# Altium PCB PCB_uinv.PcbDoc (continued)
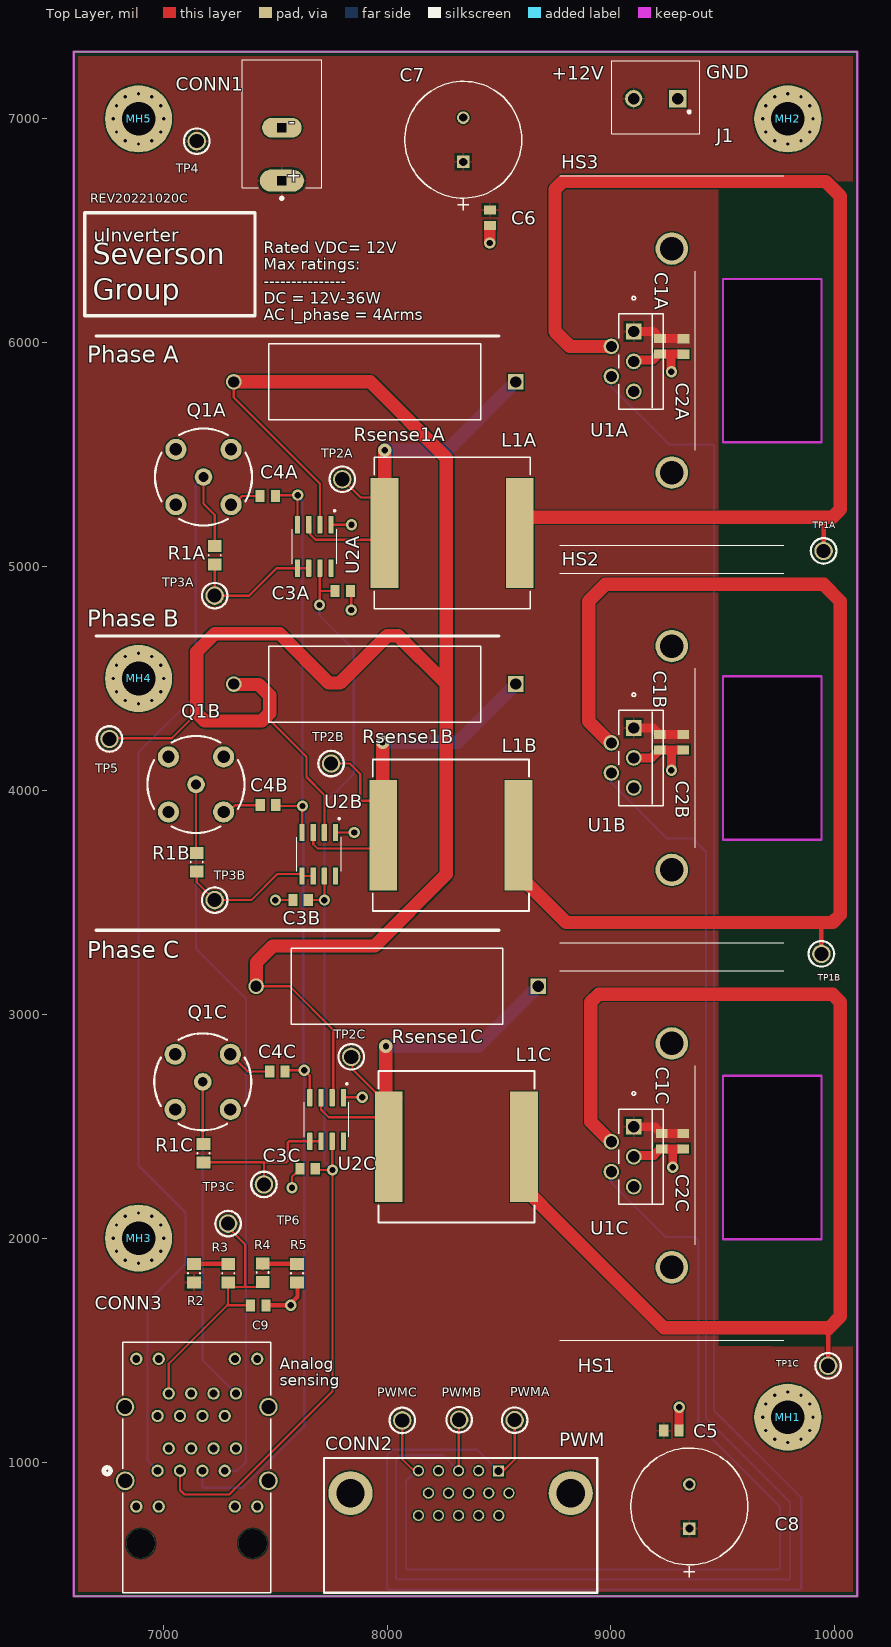
[diagram p0: Top Layer view]
## Part data (continued)
CONN3: "CONN MOD JACK 8P8C R/A SHIELDED", Color=Black,Green, Current Rating=1.5A, Manufacturer="Amphenol Commercial", Max Operating Temperature=85°C, Min Operating Temperature=-55°C, Package Quantity=35, Supplier Part Number 1=RJSAE-5385-02-ND, Voltage Rating=125V, Category="Modular / Ethernet Connectors", ComponentLink1Description=https://datasheet.ciiva.com/26934/getdatasheetpartid-29521-26934348.pdf?src-supplier=Verical, ComponentLink1URL=https://datasheet.ciiva.com/26934/getdatasheetpartid-29521-26934348.pdf?src-supplier=Verical, Connector Type=Jack, Contact Material=Bronze, Contact Plating=Gold, Depth=28.15mm, Direction="Up and Down", Gender=Female, Housing Material=Thermoplastic, Lead Free="Lead Free", Length=16.51mm, Manufacturer Part Number=RJSAE-5385-02, Mount="Through Hole", Number of Contacts=16, Number of Ports=2, Number of Positions Loaded=16, Number of Rows=2, Orientation="Right Angle", Packaging=Tray, Pitch=2.54mm, Pricing 1="1=6.67000, 10=6.39000, 25=5.83440, 50=5.55660, 100=5.27880, 250=4.72312, 500=4.44528, 1000=4.01310 (USD)", Radiation Hardening=No, RoHS=Yes, RoHS Compliant=Yes, Series=RJSAE, Shielding=Shielded, Stock 1=254, Supplier 1=Digi-Key, Termination=Solder
HS1 HS2 HS3: "Heat Sink Passive TO-220 Radial Thru-Hole 2.6C/W Black Anodized", Case/Package=Radial, Color=Black, Manufacturer="Aavid Thermalloy", Natural Thermal Resistance=2.6°C/W, Package=None, Package Cooled=TO-220, Package Quantity=200, Supplier Part Number 1=HS404-ND, Thermal Resistance @ Forced Air Flow (100 LFM)=2°C/W, Availability=Unavailable, Category="Heat Sinks", ComponentLink1Description=https://datasheet.ciiva.com/15182/getdatasheetpartid-311919-15182633.pdf?src-supplier=Verical, ComponentLink1URL=https://datasheet.ciiva.com/15182/getdatasheetpartid-311919-15182633.pdf?src-supplier=Verical, ComponentLink2Description=https://datasheet.ciiva.com/22641/1699368-22641984.pdf?src-supplier=Element14, ComponentLink2URL=https://datasheet.ciiva.com/22641/1699368-22641984.pdf?src-supplier=Element14, ComponentLink3Description=https://datasheet.ciiva.com/19457/696626-19457620.pdf?src-supplier=Jameco, ComponentLink3URL=https://datasheet.ciiva.com/19457/696626-19457620.pdf?src-supplier=Jameco, ComponentLink4Description=https://datasheet.ciiva.com/6333/aavid-board-level-heatsinks-catalog-6333980.pdf?src-supplier=Digi-Key, ComponentLink4URL=https://datasheet.ciiva.com/6333/aavid-board-level-heatsinks-catalog-6333980.pdf?src-supplier=Digi-Key, ComponentLink5Description=https://datasheet.ciiva.com/14543/70115166-14543413.pdf?src-supplier=Allied+Electronics, ComponentLink5URL=https://datasheet.ciiva.com/14543/70115166-14543413.pdf?src-supplier=Allied+Electronics, Depth=25.4mm, Finish=Anodized, Height=63.5mm, Height Off Base=1inch, Lead Free="Lead Free", Length=41.91mm, Manufacturer Part Number=529702B02500G, Material=Aluminium,Anodized, MF="Aavid Thermalloy", Mount="Bolt,PC Pin,Solder", MP=530002B02500G, Price=None, Pricing 1="1=6.14000, 10=5.97200, 25=5.64040, 50=5.30860, 100=4.97680, 250=4.64500, 500=4.31320, 1000=4.23026 (USD)", Radiation Hardening=No, REACH SVHC=Unknown, RoHS=Yes, RoHS Compliant=Yes, Series=5300, Shape=Fins,Rectangular, SnapEDA_Link=https://www.snapeda.com/parts/530002B02500G/Aavid%20Thermalloy/view-part/4792019/?ref=snap, Stock 1=1035, Supplier 1=Digi-Key, Type=Passive, Width=1.65inch
J1: "Conn Terminal Blocks 2 POS 5mm Solder ST Thru-Hole 16A", Color=Green, Current=18A, Current Rating=17.5A, Flammability Rating="UL94 V-0", Manufacturer="Phoenix Contact", Max Current Rating=16A, Max Supply Voltage=250V, Package Quantity=250, Supplier Part Number 1=277-1667-ND, Voltage=300V, Voltage Rating (DC)=320V, Approvals=UL, Category="Terminal Blocks", ComponentLink1Description=https://datasheet.ciiva.com/15169/getdatasheetpartid-177903-15169663.pdf?src-supplier=Verical, ComponentLink1URL=https://datasheet.ciiva.com/15169/getdatasheetpartid-177903-15169663.pdf?src-supplier=Verical, ComponentLink2Description=https://datasheet.ciiva.com/16047/1935161-16047247.pdf?src-supplier=Onlinecomponents.com, ComponentLink2URL=https://datasheet.ciiva.com/16047/1935161-16047247.pdf?src-supplier=Onlinecomponents.com, ComponentLink3Description=https://datasheet.ciiva.com/824/combiconcompact5-0mmseries-824222.pdf?src-supplier=Digi-Key, ComponentLink3URL=https://datasheet.ciiva.com/824/combiconcompact5-0mmseries-824222.pdf?src-supplier=Digi-Key, Connector Type=Screw, Contact Material=Copper,Tin, Depth=9mm, Height=11.3mm, Housing Color=Green, Housing Material=Polyamide, Insulation Material=Nylon, Lead Free="Lead Free", Length=9mm, Manufacturer Part Number=1935161, Material=Nylon, Mount="Through Hole", Number of Circuits=2, Number of Contacts=2, Number of Levels=1, Number of Pins=2, Number of Poles=2, Number of Positions=2, Number of Positions Per Level=2, Number of Rows=1, Number of Ways=2, Orientation=Straight, Packaging=Bulk, Pitch=5mm, Pricing 1="1=0.43000, 10=0.41400, 50=0.39600, 100=0.38520, 250=0.36000, 500=0.33120, 1000=0.30600 (USD)", Radiation Hardening=No, REACH SVHC=Unknown, RoHS=Yes, RoHS Compliant=Yes, Series="COMBICON PT", Stock 1=82071, Supplier 1=Digi-Key, Termination=Solder, Voltage Rating=250V, Weight=0.067021oz, Width=14.9mm, Wire Gauge (Max)=26AWG, Wire Gauge (Min)=12AWG, Wire/Cable Gauge=26AWG
L1A L1B L1C: library part PA4344.104NLT, "FIXED IND 100UH 5.3A 118 MOHM", Case/Package=Nonstandard, Current Rating=5.3A, DC Resistance (DCR)=118mR, Inductance=100uH, Manufacturer=Pulse, Max Operating Temperature=125°C, Min Operating Temperature=-40°C, Ratings=AEC-Q200, Saturation Current=6.5A, Supplier Part Number 1=553-3011-1-ND, Test Frequency=100kHz, Category="Fixed Inductors", ComponentLink1Description=http://productfinder.pulseeng.com/products/datasheets/P771.pdf?src-supplier=Digi-Key, ComponentLink1URL=http://productfinder.pulseeng.com/products/datasheets/P771.pdf?src-supplier=Digi-Key, Height - Seated (Max)=0.276inch, Length=0.697inch, Manufacturer Part Number=PA4344.104NLT, Mount="Surface Mount", Packaging="Tape and Reel", Pricing 1="1=3.77000, 10=3.59600, 25=3.42480, 50=2.87700, 100=2.46600 (USD)", RoHS=Yes, RoHS Compliant=Yes, Shielding=Shielded, Stock 1=1739, Supplier 1=Digi-Key, Width=0.677inch
MH1 MH2 MH3 MH4 MH5: "MOUNTING HOLE"
PWMA PWMB PWMC TP1A TP1B TP1C TP2A TP2B TP2C TP3A TP3B TP3C TP4 TP5 TP6: library part "Test Point 36-5005ND", "Conn Test Point SKT 1 POS ST Thru-Hole 1 Port", Color=Natural, Flammability Rating="UL94 V-0", Housing Color=Red, Package Quantity=100, Supplier Part Number 1=36-5005-ND, Body Material=PBT, Category="Test and Measurement", ComponentLink1Description=http://www.te.com/commerce/DocumentDelivery/DDEController?Action=srchrtrv&DocNm=1773266&DocType=DS&DocLang=English, ComponentLink1URL=http://www.te.com/commerce/DocumentDelivery/DDEController?Action=srchrtrv&DocNm=1773266&DocType=DS&DocLang=English, ComponentLink2Description=https://datasheet.ciiva.com/11744/0900766b8009b7c7-11744948.pdf?src-supplier=RSComponents, ComponentLink2URL=https://datasheet.ciiva.com/11744/0900766b8009b7c7-11744948.pdf?src-supplier=RSComponents, ComponentLink3Description=https://datasheet.ciiva.com/2917/m60-2p60-2917633.pdf?src-supplier=Digi-Key, ComponentLink3URL=https://datasheet.ciiva.com/2917/m60-2p60-2917633.pdf?src-supplier=Digi-Key, ComponentLink4Description=https://datasheet.ciiva.com/16508/m60-2p60-16508073.pdf?src-supplier=Future+Electronics, ComponentLink4URL=https://datasheet.ciiva.com/16508/m60-2p60-16508073.pdf?src-supplier=Future+Electronics, ComponentLink5Description=https://datasheet.ciiva.com/1454/1703983-1454828.pdf?src-supplier=Element14, ComponentLink5URL=https://datasheet.ciiva.com/1454/1703983-1454828.pdf?src-supplier=Element14, ComponentLink6Description=https://datasheet.ciiva.com/16883/70182825-16883781.pdf?src-supplier=Allied+Electronics, ComponentLink6URL=https://datasheet.ciiva.com/16883/70182825-16883781.pdf?src-supplier=Allied+Electronics, Contact Material=Bronze, Contact Plating=Silver,Tin, Height=0.35inch, Hole Diameter=1.6mm, Inside Diameter=1.78mm, Lead Free="Lead Free", Length=8.89mm, Material=Nylon,Bronze,Silver, Material - Body=-, Material - Insulation="No Insulation", Mount="PCB,Through Hole", Mounting Type="Surface Mount", Number of Ports=1, Orientation=Straight, Outside Diameter=3.18mm, Packaging="Cut Tape (CT)", Part Status=Active, Plating=-, Pricing 1="1=0.22, 10=0.206, 25=0.1756, 50=0.1536, 100=0.1426, 250=0.12616, 500=0.12068, 1000=0.09874 (USD)", Pricing 2="1=0.42000, 25=0.34080, 100=0.30150, 250=0.28304, 500=0.25230, 1000=0.19884, 2500=0.18180, 5000=0.17044 (USD)", REACH SVHC="No SVHC", RoHS="RoHS Compliant", RoHS Compliant=Yes, Series=THM, Size / Dimension="0.063\" x 0.031\" x 0.045\" (1.60mm x 0.80mm x 1.15mm)", Stock 1=136646, Stock 2=147226, Supplier 1=Digi-Key, Termination=Solder, Type="PC Test Point"
Q1A Q1B Q1C: "CONN BNC JACK STR 50 OHM PCB", Supplier Part Number 1=A97581-ND, Supplier 1=Digi-Key
R1A R1B R1C: library part CRCW08051R00FKEA, "Res Thick Film 0805 1 Ohm 1% 1/8W", Case Code (Imperial)=0805, Case Code (Metric)=2012, Manufacturer="Vishay Dale", Max Operating Temperature=155°C, Max Power Dissipation=125mW, Min Operating Temperature=-55°C, Package Quantity=10, Resistance Tolerance=1%, Resistor Type="Thick Film", Supplier Part Number 1=541-1.00CCCT-ND, Temperature Coefficient=100ppm/°C, Voltage Rating=150V, Case/Package=0805, Category="Chip SMD Resistors", ComponentLink1Description=https://datasheet.ciiva.com/7725/dcrcwe3-7725851.pdf?src-supplier=Element14, ComponentLink1URL=https://datasheet.ciiva.com/7725/dcrcwe3-7725851.pdf?src-supplier=Element14, ComponentLink2Description=https://datasheet.ciiva.com/28621/1747939-28621438.pdf?src-supplier=Element14, ComponentLink2URL=https://datasheet.ciiva.com/28621/1747939-28621438.pdf?src-supplier=Element14, ComponentLink3Description=https://datasheet.ciiva.com/2467/dcrcwe3-2467480.pdf?src-supplier=Digi-Key, ComponentLink3URL=https://datasheet.ciiva.com/2467/dcrcwe3-2467480.pdf?src-supplier=Digi-Key, ComponentLink4Description=https://datasheet.ciiva.com/2467/dcrcwe3-2467481.pdf?src-supplier=Digi-Key, ComponentLink4URL=https://datasheet.ciiva.com/2467/dcrcwe3-2467481.pdf?src-supplier=Digi-Key, ComponentLink5Description=https://datasheet.ciiva.com/2467/dcrcwe3-2467479.pdf?src-supplier=Digi-Key, ComponentLink5URL=https://datasheet.ciiva.com/2467/dcrcwe3-2467479.pdf?src-supplier=Digi-Key, ComponentLink6Description=https://datasheet.ciiva.com/16767/70201119-16767273.pdf?src-supplier=Allied+Electronics, ComponentLink6URL=https://datasheet.ciiva.com/16767/70201119-16767273.pdf?src-supplier=Allied+Electronics, ComponentLink7Description=https://datasheet.ciiva.com/5549/dcrcwe3-109170-5549807.pdf?src-supplier=Mouser, ComponentLink7URL=https://datasheet.ciiva.com/5549/dcrcwe3-109170-5549807.pdf?src-supplier=Mouser, ComponentLink8Description=https://datasheet.ciiva.com/16286/dcrcwe3-16286250.pdf?src-supplier=Future+Electronics, ComponentLink8URL=https://datasheet.ciiva.com/16286/dcrcwe3-16286250.pdf?src-supplier=Future+Electronics, ComponentLink9Description=https://datasheet.ciiva.com/17204/dcrcwe3-17204262.pdf?src-supplier=Avnet+Europe, ComponentLink9URL=https://datasheet.ciiva.com/17204/dcrcwe3-17204262.pdf?src-supplier=Avnet+Europe, Construction=Rectangular, Contact Plating=Tin, Depth=1.25mm, Features="Automotive AEC-Q200", Height=0.02inch, Length=2mm, Manufacturer Part Number=CRCW08051R00FKEA, Military Standard=Not, Mount="Surface Mount", Number of Pins=2, Number of Terminations=2, Packaging="Tape and Reel", Power Rating=125mW, Pricing 1="1=0.10000, 10=0.08500, 100=0.03280, 1000=0.01442, 2500=0.01246 (USD)", Radiation Hardening=No, REACH SVHC=Unknown, Resistance=1R, RoHS=Yes, RoHS Compliant=Yes, Series=CRCW, Size Code=0805, Supplier 1=Digi-Key, Termination=SMD/SMT, Tolerance=1%, Weight=0.000194oz, Width=0.049inch
R2 R3: library part RCS08052K20FKEA, "Res Thick Film 0805 2.2K Ohm 1% 0.4W", Case Code (Imperial)=0805, Case Code (Metric)=2012, Manufacturer="Vishay Dale", Max Operating Temperature=155°C, Max Power Dissipation=400mW, Min Operating Temperature=-55°C, Resistance=2.2kR, Resistor Type="Thick Film", Supplier Part Number 1=541-2841-1-ND, Temperature Coefficient=100ppm/°C, Tolerance=1%, Case/Package=0805, Category="Chip SMD Resistors", ComponentLink1Description=http://www.vishay.com/docs/20065/rcse3.pdf?src-supplier=Digi-Key, ComponentLink1URL=http://www.vishay.com/docs/20065/rcse3.pdf?src-supplier=Digi-Key, Features="Automotive AEC-Q200", Height=0.02inch, Length=0.079inch, Manufacturer Part Number=RCS08052K20FKEA, Number of Terminations=2, Packaging="Cut Tape", Pricing 1="1=0.26000, 10=0.21800, 100=0.08510, 1000=0.03560, 2500=0.03264 (USD)", RoHS=Yes, Stock 1=5528, Supplier 1=Digi-Key, Width=0.049inch
R4 R5: library part ESR10EZPF1101, "Res Thick Film 0805 1.1K Ohm 1% 0.4W", Case Code (Imperial)=0805, Case Code (Metric)=2012, Manufacturer=Rohm, Max Operating Temperature=155°C, Max Power Dissipation=400mW, Min Operating Temperature=-55°C, Package Quantity=1, Resistance=1.1kR, Resistor Type="Thick Film", Supplier Part Number 1=RHM1.10KAECT-ND, Temperature Coefficient=100ppm/°C, Tolerance=1%, Case/Package=0805, Category="Chip SMD Resistors", ComponentLink1Description=https://datasheet.ciiva.com/2470/esr-2470093.pdf?src-supplier=Digi-Key, ComponentLink1URL=https://datasheet.ciiva.com/2470/esr-2470093.pdf?src-supplier=Digi-Key, ComponentLink2Description=https://datasheet.ciiva.com/2470/esr-2470094.pdf?src-supplier=Digi-Key, ComponentLink2URL=https://datasheet.ciiva.com/2470/esr-2470094.pdf?src-supplier=Digi-Key, ComponentLink3Description=https://datasheet.ciiva.com/2470/esr-2470095.pdf?src-supplier=Digi-Key, ComponentLink3URL=https://datasheet.ciiva.com/2470/esr-2470095.pdf?src-supplier=Digi-Key, ComponentLink4Description=https://datasheet.ciiva.com/16212/esr10ezpd-16212063.pdf?src-supplier=Future+Electronics, ComponentLink4URL=https://datasheet.ciiva.com/16212/esr10ezpd-16212063.pdf?src-supplier=Future+Electronics, Features="Automotive AEC-Q200", Height=0.026inch, Lead Free="Lead Free", Length=0.079inch, Manufacturer Part Number=ESR10EZPF1101, Number of Terminations=2, Packaging="Tape and Reel", Power Rating=400mW, Pricing 1="1=0.18000, 10=0.15300, 100=0.05980, 1000=0.02505, 2500=0.02296 (USD)", RoHS=Yes, RoHS Compliant=Yes, Series=ESR, Size Code=0805, Stock 1=6361, Supplier 1=Digi-Key, Width=0.049inch
Rsense1A Rsense1B Rsense1C: library part 15FR150E, "Resistor; Wirewound; Res 0.15 Ohms; Pwr-Rtg 5 W; Tol 1%; Axial; Silicone; Cur-Sense", Case/Package=Axial, Manufacturer=Ohmite, Max Operating Temperature=275°C, Max Power Dissipation=5W, Min Operating Temperature=-55°C, Package Quantity=10, Resistance=150mR, Resistance Tolerance=1%, Resistor Type=Wirewound, Supplier Part Number 1=15FR150E-ND, Temperature Coefficient=50ppm/°C, Voltage Rating=100mV, Voltage Rating (DC)=1kV, Body Diameter=8.4mm, Body Length=23.8mm, Category="Through-Hole Resistors", ComponentLink1Description=https://datasheet.ciiva.com/2716/res-10-2716526.pdf?src-supplier=Digi-Key, ComponentLink1URL=https://datasheet.ciiva.com/2716/res-10-2716526.pdf?src-supplier=Digi-Key, ComponentLink2Description=https://datasheet.ciiva.com/16771/70022566-16771081.pdf?src-supplier=Allied+Electronics, ComponentLink2URL=https://datasheet.ciiva.com/16771/70022566-16771081.pdf?src-supplier=Allied+Electronics, ComponentLink3Description=https://datasheet.ciiva.com/1131/66208-1131710.pdf?src-supplier=Element14, ComponentLink3URL=https://datasheet.ciiva.com/1131/66208-1131710.pdf?src-supplier=Element14, Diameter=8.4mm, Lead Diameter=0.05mm, Lead Free="Lead Free", Lead Length=39.7mm, Length=23.8mm, Manufacturer Part Number=15FR150E, Mount="Through Hole", Number of Pins=2, Number of Terminations=2, Packaging=Bulk, Power Rating=5W, Pricing 1="1=3.11000, 10=2.77800, 25=2.61080, 50=2.38860, 100=2.05540, 250=1.77760, 500=1.61096, 1000=1.41652, 5000=1.36653 (USD)", RoHS=Yes, Series=10, Stock 1=1147, Supplier 1=Digi-Key, Termination=Axial, Tolerance=1%
U1A U1B U1C: "14-Ampere Low-Side Ultrafast MOSFET Driver 5-Lead TO-220", Case/Package=TO-220-5, Manufacturer=IXYS, Max Operating Temperature=125°C, Max Output Current=14A, Max Supply Voltage=35V, Min Operating Temperature=-40°C, Min Supply Voltage=4.5V, Package Quantity=50, Supplier Part Number 1=IXDN614CI-ND, Category="Gate Drivers", ComponentLink1Description=https://datasheet.ciiva.com/6611/ixd-614-6611632.pdf?src-supplier=Digi-Key, ComponentLink1URL=https://datasheet.ciiva.com/6611/ixd-614-6611632.pdf?src-supplier=Digi-Key, ComponentLink2Description=https://datasheet.ciiva.com/16352/ixd-614-r00h-16352558.pdf?src-supplier=Future+Electronics, ComponentLink2URL=https://datasheet.ciiva.com/16352/ixd-614-r00h-16352558.pdf?src-supplier=Future+Electronics, Fall Time=25ns, Lead Free="Lead Free", Manufacturer Part Number=IXDN614CI, Mount="Through Hole", Number of Drivers=1, Number of Outputs=1, Number of Pins=5, Output Impedance=1.5R, Packaging=Rail/Tube, Pricing 1="1=5.45000, 10=4.89400, 25=4.62640, 100=4.00960, 250=3.80396, 500=3.41328, 1000=2.90970 (USD)", Propagation Delay=70ns, Rise Time=35ns, RoHS=Yes, RoHS Compliant=Yes, Series=-, Stock 1=879, Supplier 1=Digi-Key
U2A U2B U2C: "SP Amp Difference Amplifier Single ±18V/36V 8-Pin SOIC Tube", Case/Package=D, Dual Supply Voltage=15V, Input Offset Voltage (Vos)=100uV, Input Resistance=55kR, Manufacturer="Texas Instruments", Max Dual Supply Voltage=18V, Max Input Voltage=36V, Max Operating Temperature=85°C, Min Dual Supply Voltage=2.25V, Min Operating Temperature=-40°C, Min Supply Voltage=4.5V, Nominal Supply Current=950uA, Output Current per Channel=32mA, Package Quantity=75, Supplier Part Number 1=INA143U-ND, Voltage Gain=20dB, -3db Bandwidth=150kHz, Bandwidth=150kHz, Category="Amplifiers - Op Amps, Buffer, Instrumentation", Common Mode Rejection Ratio=86dB, ComponentLink1Description=https://datasheet.ciiva.com/19474/1341122-19474592.pdf?src-supplier=Jameco, ComponentLink1URL=https://datasheet.ciiva.com/19474/1341122-19474592.pdf?src-supplier=Jameco, ComponentLink2Description=https://datasheet.ciiva.com/15128/getdatasheetpartid-49975-15128159.pdf?src-supplier=Verical, ComponentLink2URL=https://datasheet.ciiva.com/15128/getdatasheetpartid-49975-15128159.pdf?src-supplier=Verical, ComponentLink3Description=https://datasheet.ciiva.com/1799/ina143-1799971.pdf?src-supplier=Digi-Key, ComponentLink3URL=https://datasheet.ciiva.com/1799/ina143-1799971.pdf?src-supplier=Digi-Key, ComponentLink4Description=https://datasheet.ciiva.com/2976/ina2143-2976117.pdf?src-supplier=Avnet, ComponentLink4URL=https://datasheet.ciiva.com/2976/ina2143-2976117.pdf?src-supplier=Avnet, ComponentLink5Description=https://datasheet.ciiva.com/26191/sbos116-26191078.pdf?src-supplier=Avnet+Europe, ComponentLink5URL=https://datasheet.ciiva.com/26191/sbos116-26191078.pdf?src-supplier=Avnet+Europe, ComponentLink6Description=https://datasheet.ciiva.com/1485/693952-1485228.pdf?src-supplier=Element14, ComponentLink6URL=https://datasheet.ciiva.com/1485/693952-1485228.pdf?src-supplier=Element14, ComponentLink7Description=https://datasheet.ciiva.com/48707/001010602-da-01-en-ic-opamp-diff-150khz-ina143u-soic-8-tid-48707338.pdf?src-supplier=Conrad, ComponentLink7URL=https://datasheet.ciiva.com/48707/001010602-da-01-en-ic-opamp-diff-150khz-ina143u-soic-8-tid-48707338.pdf?src-supplier=Conrad, Gain Bandwidth Product=150kHz, Height=1.58mm, Lead Free="Lead Free", Length=4.9mm, Manufacturer Part Number=INA143U, Max Supply Voltage=36V, Min Input Voltage=2.25V, Number of Amplifiers=1, Number of Channels=1, Number of Circuits=1, Number of Elements=1, Number of Pins=8, Operating Supply Current=950uA, Packaging=Rail/Tube, Pricing 1="1=4.01000, 10=3.60000, 25=3.40320, 100=2.79830, 250=2.51096, 500=2.42020, 1000=2.01178, 2500=1.99780 (USD)", Quiescent Current=950uA, Radiation Hardening=No, REACH SVHC="No SVHC", RoHS=Yes, Settling Time=6us, Slew Rate=5V/µs, Stock 1=417, Supplier 1=Digi-Key, Weight=0.002677oz, Width=3.91mm

## Via types
v1: diameter 50, hole 28, Top Layer to Bottom Layer, 18 vias
v2: diameter 60, hole 28, Top Layer to Bottom Layer, 3 vias

## Nets (pads, with @x,y where several pads share a name; then routed paths per layer and width w, separated by ;. In a path a pad name is that pad's centre, name@x,y a point inside that pad or via, vN(x,y) a via of type N, cw(c..) or ccw(c..) an arc to the next point about the centre after c; other vN are vias at no path point)
GND: C1A.2 C1B.2 C1C.2 C2A.2 C2B.2 C2C.2 C3A.2 C3B.2 C3C.2 C4A.2 C4B.2 C4C.2 C5.2 C6.2 C7.2 C8.2 C9.2 CONN1.2 CONN2.7 CONN3.2A CONN3.2B CONN3.4A CONN3.4B CONN3.6A CONN3.6B CONN3.8A CONN3.8B J1.1 MH1.1 MH2.1 MH3.1 MH4.1 MH5.1 Q1A.2 Q1B.2 Q1C.2 R5.1 U1A.3 U1B.3 U1C.3 U2A.1 U2B.1 U2C.1 | length 2422.3
  Top Layer w10: Q1B.2@7290.16,3903.54 7320.61,3934 C4B.2 ; Q1C.2@7300,2821.46 7377.46,2744 C4C.2 C4C.2@7464.09,2755.46 ; Q1A.2@7313.65,5276.77 7351.88,5315 C4A.2 ; v1(7501,3510) C3B.2 ; v1(7575,2225) 7575,2274.45 C3C.2 ; U2A.1 7750.24,5187 v1(7841,5187) ; U2B.1 7770.24,3812 v1(7853,3812) ; U2C.1 7806.76,2629 v1(7889,2629) ; C3A.2 7840,4887.45 v1(7840,4806)
  Top Layer w20: Q1B.2@7270,3903.54 Q1B.2@7290.16,3903.54 ; Q1A.2@7303.23,5276.77 Q1A.2@7313.65,5276.77 ; C9.2@7465.79,1700 v1(7570,1700) 7570,1708.12 7599.92,1738.04 R5.1@7599.92,1799.92
  Top Layer w40: U1C.3 9107.63,2369.6 9192.14,2369.6 9221.09,2398.55 C1C.2 9271.5,2398.55 ; U1B.3 9182,4145 9211.43,4174.43 9211.43,4180.33 9212.09,4181 C1B.2 9267.55,4181 ; U1A.3 9107.63,5921.88 9186.43,5921.88 9214.09,5949.55 C1A.2 9269.05,5949.55 ; v1(9270,4090) 9270,4178.55 9267.55,4181 ; v1(9270,5870) 9269.05,5870.95 9269.05,5949.55 ; v1(9276.09,2316.91) 9276.09,2393.96 9271.5,2398.55 ; C5.2@9304.72,1140.28 v1@9304.72,1244.72 ; C2C.2@9316,2398.55 9271.5,2398.55 ; C2B.2 9267.55,4181 ; C2A.2 9319.09,5948.55 9318.09,5949.55 9269.05,5949.55
  Top Layer w50: v1(8458.57,6445) C6.2@8458.57,6516.66
  other v1: 9305,1245
ISENSE_A: CONN3.1A Q1A.1 R1A.2 | length 5084.6
  Top Layer w10: Q1A.1 7180,5280 7230,5230 R1A.2@7230,5071.34
  Bottom Layer w10: CONN3.1A 6930,1005.94 6930,1715 7100,1885 7100,2115 6890,2325 6890,4170 7145,4425 7145,5365 Q1A.1
ISENSE_B: CONN3.7A Q1B.1 R1B.2 | length 3537.2
  Top Layer w10: Q1B.1 7146.77,3724.57 R1B.2
  Bottom Layer w10: Q1B.1 7146.77,3293.23 7370,3070 7370,1000 7330.94,960.94 CONN3.7A
ISENSE_C: CONN3.1B Q1C.1 R1C.2 | length 1731.9
  Top Layer w10: Q1C.1 7176.77,2424.57 R1C.2
  Bottom Layer w10: Q1C.1 7176.77,1454.17 CONN3.1B
NetL1A_1: L1A.1 TP1A.1 U1A.2 | length 5278.5
  Top Layer w20: TP1A.1 9950,5220
  Top Layer w60: L1A.1 8593.11,5187.99 8625.12,5220 9950,5220 9989.85,5220 10025,5255.15 10025,6655 9960,6720 8785.15,6720 8750,6684.85 8750,6150 8750,6050 8816.93,5983.07 U1A.2
NetL1A_2: L1A.2 Rsense1A.1 TP2A.1 U2A.3 | length 1708.6
  Top Layer w10: U2A.3 7656.41,5180.83 7656.41,5143.59 7680,5120 L1A.2@7988.78,5120 ; TP2A.1 7882,5308 7931.77,5308 L1A.2@7975,5264.77
  Top Layer w60: L1A.2 7975,5163.78 7975,5264.77 7990,5279.77 v2(7990,5520)
  Bottom Layer w60: v2(7990,5520) 8270,5520 Rsense1A.1
NetL1B_1: L1B.1 TP1B.1 U1B.2 | length 5112
  Top Layer w10: 8898.47,4310 8900,4308.47 ; 8899,4710 8900,4711
  Top Layer w20: TP1B.1 9940,3410
  Top Layer w60: L1B.1@8591.11,3785 8591.11,3612 8619.17,3583.94 8626.06,3583.94 8800,3410 9940,3410 9989.85,3410 10025,3445.15 10025,4845 9950,4920 8975,4920 8900,4845 8900,4711 8900,4308.47 8991.53,4216.93 U1B.2@9001.89,4216.93
NetL1B_2: L1B.2 Rsense1B.1 TP2B.1 U2B.3 | length 2013.6
  Top Layer w10: U2B.3 7670,3760 7690,3740 L1B.2@8000.83,3740 ; TP2B.1 7832.97,4120 7880,4072.97 7880,3960 7885.86,3954.14 7929.77,3954.14 L1B.2@7980,3903.91 ; L1B.2@7976.06,3918.91 7976.06,3903.91 7976.06,3806.78 L1B.2
  Top Layer w60: L1B.2@7980,3802.83 7980,3903.91 v2(7980,4215)
  Bottom Layer w60: v2(7980,4215) 8315,4215 Rsense1B.1
NetL1C_1: L1C.1 TP1C.1 U1C.2 | length 5286.9
  Top Layer w10: 8755.03,2055.03 8781.03,2055.03
  Top Layer w20: TP1C.1 9970,1595
  Top Layer w60: L1C.1 8612.11,2223.94 8781.03,2055.03 9236.06,1600 9975,1600 ; U1C.2 8999.18,2430.79 8910,2519.97 8910,3054.85 8945.15,3090 9989.85,3090 10025,3054.85 10025,1650 9975,1600 ; 9970,1595 9975,1600
NetL1C_2: L1C.2 Rsense1C.1 TP2C.1 U2C.3 | length 2101
  Top Layer w10: U2C.3 7705,2575 7740,2540 L1C.2@7995,2540 ; TP2C.1 7846.17,2803.83 7846.17,2753.66 L1C.2@7995,2604.83
  Top Layer w60: v2(7995,2857.48) 7995,2604.83 7995,2540 7995,2420.78 L1C.2 8007.78,2592.06 L1C.2@8039.79,2624.06
  Bottom Layer w60: v2(7995,2857.48) 8407.48,2857.48 Rsense1C.1
NetR1A_1: R1A.1 TP3A.1 U2A.5 U2A.6 | length 609.5
  Top Layer w10: R1A.1 TP3A.1 7383.46,4870 7506.22,4992.76 U2A.5 U2A.6
NetR1B_1: R1B.1 TP3B.1 U2B.5 U2B.6 | length 654.9
  Top Layer w10: R1B.1 7150,3590 TP3B.1 7393.46,3510 7510,3626.54 7613.19,3626.54 7620,3619.72 U2B.5 U2B.6
NetR1C_1: R1C.1 TP3C.1 U2C.5 U2C.6 | length 723
  Top Layer w10: R1C.1 7450,2338.66 ; TP3C.1 7450,2338.66 ; TP3C.1@7458.46,2226.54 TP3C.1@7467,2218 ; U2C.6 7561.86,2432.76 7556,2426.9 7556,2344.52 7550.14,2338.66 7450,2338.66
NetR2_1: R2.1 R3.2 | length 153.3
  Top Layer w20: R2.1 R3.2
NetR4_1: R4.1 R5.2 | length 154.4
  Top Layer w20: R4.1@7444.19,1867.68 R4.1@7445.52,1866.34 ; R4.1@7445.52,1886.34 R5.2@7596.18,1886.34 ; R5.2@7596.18,1866.34 R5.2@7597.52,1865
PH_OUT_A: Rsense1A.2 Rsense1B.2 Rsense1C.2 TP5.1 U2A.2 U2B.2 U2C.2 | length 8975.9
  Top Layer w10: TP5.1@6763.24,4233.24 7038.1,4233.24 7150,4345.15 ; Rsense1A.2 7315,5755 7700,5370 U2A.2 ; Rsense1C.2 7565,3125 7760,2930 7760,2632.24 U2C.2 ; 7460,4330 7640,4150 7640,4060 7720,3980 U2B.2 ; 8255,4475 8265,4485
  Top Layer w60: TP5.1 TP5.1@6763.24,4233.24 ; 7149.85,4620.15 7150,4620.15 ; Rsense1B.2 7316.91,4473.09 7426.91,4473.09 7475.15,4424.85 7475.15,4345.15 7460,4330 7440,4310 7185.15,4310 7150,4345.15 7150,4620.15 ; Rsense1A.2 7925,5825 8265,5485 8265,4485 ; Rsense1C.2 7416.91,3126.91 7416.91,3231.91 7490,3305 7945,3305 8265,3625 8265,4485 ; 7150,4620.15 7230,4700.15 7519.85,4700.15 7740.15,4479.85 7789.85,4479.85 8000,4690 8050,4690 8255,4485 8265,4485
PWM_A: CONN2.1 PWMA.1 U1A.4 | length 9163.4
  Top Layer w10: CONN2.1@8498.19,939.37 8570,1011.18 PWMA.1
  Bottom Layer w10: CONN2.1 8402.56,1055 8025,1055 8000,1030 8000,435.86 8005.86,430 9844.14,430 9850,435.86 9850,840 9460,1230 9460,5539.14 9454.14,5545 9260,5545 8999.93,5805.07 8999.93,5847.25 U1A.4 ; PWMA.1 PWMA.1@8576.29,1180.71
PWM_B: CONN2.3 PWMB.1 U1B.4 | length 6855.3
  Top Layer w10: CONN2.3@8319.45,940.94 8320.72,942.22 8320.72,1187.72 PWMB.1
  Bottom Layer w10: CONN2.3 8250.39,1030 8060,1030 8040,1010 8040,480.86 8045.86,475 9794.14,475 9800,480.86 9800,820 9425,1195 9425,3725 9365,3785 9250,3785 9001.07,4033.93 9001.07,4077.25 U1B.4
PWM_C: CONN2.5 PWMC.1 U1C.4 | length 4588.9
  Top Layer w10: PWMC.1 8068,1012.86 CONN2.5@8139.92,940.94
  Bottom Layer w10: PWMC.1@8068,1173 PWMC.1@8080,1185 ; CONN2.5 8130.94,960.94 8085,915 8085,525.86 8090.86,520 9749.14,520 9755,525.86 9755,800 9390,1165 9390,1990 9375,2005 9245,2005 9001.89,2248.11 U1C.4
VCC+: C3A.1 C3B.1 C3C.1 CONN3.3A U2A.7 U2B.7 U2C.7 | length 5228.8
  Top Layer w10: CONN3.3A@7075,940.94 7075,875 7095,855 7295,855 7756,1316 v1(7756,2304) ; C3B.1@7650.45,3512 7652.45,3510 v1(7720,3510) U2B.7 ; C3C.1@7692.45,2310 7698.45,2304 v1(7756,2304) ; v1@7699,4829 7699,4891 ; U2A.7@7699,4991.76 7699,4891 ; U2C.7@7755,2405.79 U2C.7 7755.5,2432.26 7755.5,2304.5 v1(7756,2304) ; C3A.1 7699,4891
  Top Layer w20: C3B.1 C3B.1@7650.45,3512 ; v1(7698,4828) v1@7699,4829 ; U2A.7@7699,4991.76 U2A.7
  Bottom Layer w10: v1(7698,4828) 7697,4827 7697,4783 7851,4629 7851,4073 7720,3942 7720,2340 v1(7756,2304)
VCC-: C4A.1 C4B.1 C4C.1 CONN3.5A U2A.4 U2B.4 U2C.4 | length 5513.7
  Top Layer w10: C4A.1 7505.45,5319 v1(7601,5319) 7600,5318 U2A.4 U2A.4@7600,5160.28 ; C4B.1 7506.45,3930 v1(7622,3930) 7620,3928 U2B.4 ; C4C.1 7550.45,2750 v1(7630,2750) 7655,2725 U2C.4
  Bottom Layer w10: CONN3.5A@7175,940.94 7175,890.86 7180.86,885 7355,885 7630,1160 v1(7630,2750) 7626,2754 7626,3926 v1(7622,3930) 7622,5293.14 7601,5314.14 v1(7601,5319)
VDC(12V): C1A.1 C1B.1 C1C.1 C2A.1 C2B.1 C2C.1 C5.1 C6.1 C7.1 C8.1 CONN1.1 J1.2 R2.2 TP4.1 U1A.1 U1B.1 U1C.1 | length 706.1
  Top Layer w40: U1C.1 9196.73,2497.72 9220.43,2474.02 9220.43,2468.12 9221.09,2467.45 C1C.1 C2C.1@9316,2467.45 ; U1B.1 9187.99,4278.86 9211.43,4255.43 9211.43,4250.57 9212.09,4249.9 C1B.1 ; U1A.1 9188.45,6050 9213.43,6025.02 9213.43,6019.12 9214.09,6018.45 C1A.1 9318.09,6018.45 9319.09,6017.45 C2A.1 ; C1B.1@9224.57,4250 C2B.1@9329.57,4250
VDC_SENSE: C9.1 CONN3.7B R3.1 R4.2 TP6.1 | length 1157.8
  Top Layer w10: CONN3.7B@7025,1285.94 7025,1439.4 7285.6,1700 ; TP6.1@7290,2035 7302.69,2035 7366.18,1971.51 7366.18,1782.32 ; R3.1 7290,1801.47 7290,1700 C9.1 ; R3.1@7305,1782.32 7366.18,1782.32 ; R4.2@7445,1784.19 7444.19,1785 7441.51,1782.32 7366.18,1782.32
pads on no net: CONN2.2 CONN2.4 CONN2.6 CONN2.8 CONN2.9 CONN2.10 CONN2.11 CONN2.12 CONN2.13 CONN2.14 CONN2.15 CONN2.SH1 CONN2.SH2 CONN3.3B CONN3.5B CONN3.9 CONN3.10 CONN3.11 CONN3.12 CONN3.21 CONN3.22 CONN3.23 CONN3.24 CONN3.25 CONN3.26 CONN3.27 CONN3.28 CONN3.29 CONN3.30 HS1.P$1 HS1.P$2 HS2.P$1 HS2.P$2 HS3.P$1 HS3.P$2 U1A.5 U1B.5 U1C.5 U2A.8 U2B.8 U2C.8

## Polygon pours and split planes (outlines as drawn)
GND on Bottom Layer "GNDNET_L02_P-001" (solid, pour order 0): 6620,420 10080,420 10080,7280 6620,7280
VDC(12V) on Top Layer "VDC(12V)" (solid, pour order 5): 9142.78,2565.99 9142.78,2428.94 9380.77,2428.94 9380.77,2561.9 9143.12,2561.9 9143.12,2551.23
VDC(12V) on Top Layer "VDC(12V)" (solid, pour order 4): 9145.17,6118.53 9145.17,5981.47 9383.16,5981.47 9383.16,6114.44 9145.5,6114.44 9145.5,6103.77
VDC(12V) on Top Layer "VDC(12V)" (solid, pour order 3): 9133.89,4352.5 9133.89,4215.45 9371.88,4215.45 9371.88,4348.41 9134.22,4348.41 9134.22,4337.74
VDC(12V) on Top Layer "VDC12NET_L02_P-001" (solid, pour order 1): 6620,420 10080,420 10080,7280 6620,7280

## Keep-outs
Keep-Out Layer:
  lines w10: 6600,400 6600,7300 10100,7300 10100,400 6600,400 ; 9500,1995 9940,1995 9940,2725 9500,2725 9500,1995 ; 9500,3780 9940,3780 9940,4510 9500,4510 9500,3780 ; 9500,5555 9940,5555 9940,6285 9500,6285 9500,5555

## Other copper
Top Layer:
  pour cut-out: 9480,6700 9500,6720 10100,6720 10100,1513.98 9480,1520
Bottom Layer:
  pour cut-out: 9480,6700 9500,6720 10100,6720 10100,1513.98 9480,1520

## Silkscreen, mask and mechanical layers (free items; w line width, h text height)
Top Overlay:
  lines w15: 6700,3375 8500,3375 ; 6700,4690 8500,4690 ; 6700,6030 8500,6030 ; 6650,6120 7410,6120 7410,6580 6650,6580 6650,6120
  text "GND" at 9425,7180 h60
  text "+12V" at 8735,7175 h60
  text "-" at 7560,6940.76 h100
  text "+" at 7550,6699.64 h100
  text "REV20221020C" at 6675,6625 h40
  text "uInverter" at 6690,6450 h60
  text "Severson / Group" at 6685.98,6160 h160
  text "Rated VDC= 12V / Max ratings: / --------------- / DC = 12V-36W  / AC I_phase = 4Arms" at 7450,6100 h50
  text "Phase A" at 6660,5910 h75
  text "Phase B" at 6660,4730 h75
  text "Phase C" at 6660,3250 h75
  text "Analog / sensing" at 7520,1340 h50
  text "PWM" at 8770,1070 h60
Mechanical 1:
  text "Make sure that Heatsinks have a slot in the bottom (of similar dimensions as in part no. 529702B02500G) to accomodate the decoupling capacitors for Gate Driver" at 7730,1560 h40

## Text inside footprints (layer, text, board x,y; h text height)
U1A: Mechanical 13 "TAB" at 9191.39,5934.89 h25 r270
U1B: Mechanical 13 "TAB" at 9191.39,4163.75 h25 r270
U1C: Mechanical 13 "TAB" at 9191.39,2382.61 h25 r270